# Altium PCB STB_SensorBoard.PcbDoc (part 4 of 4)
Units mm, origin at the board's own origin, x right, y up, seen from the top; angles counter-clockwise.
Board outline 370 x 359 mm, 2 copper layers (Top Layer, Bottom Layer), stack 1.569 mm thick; 224 components, 98 nets, 746 pads, 3353 vias.
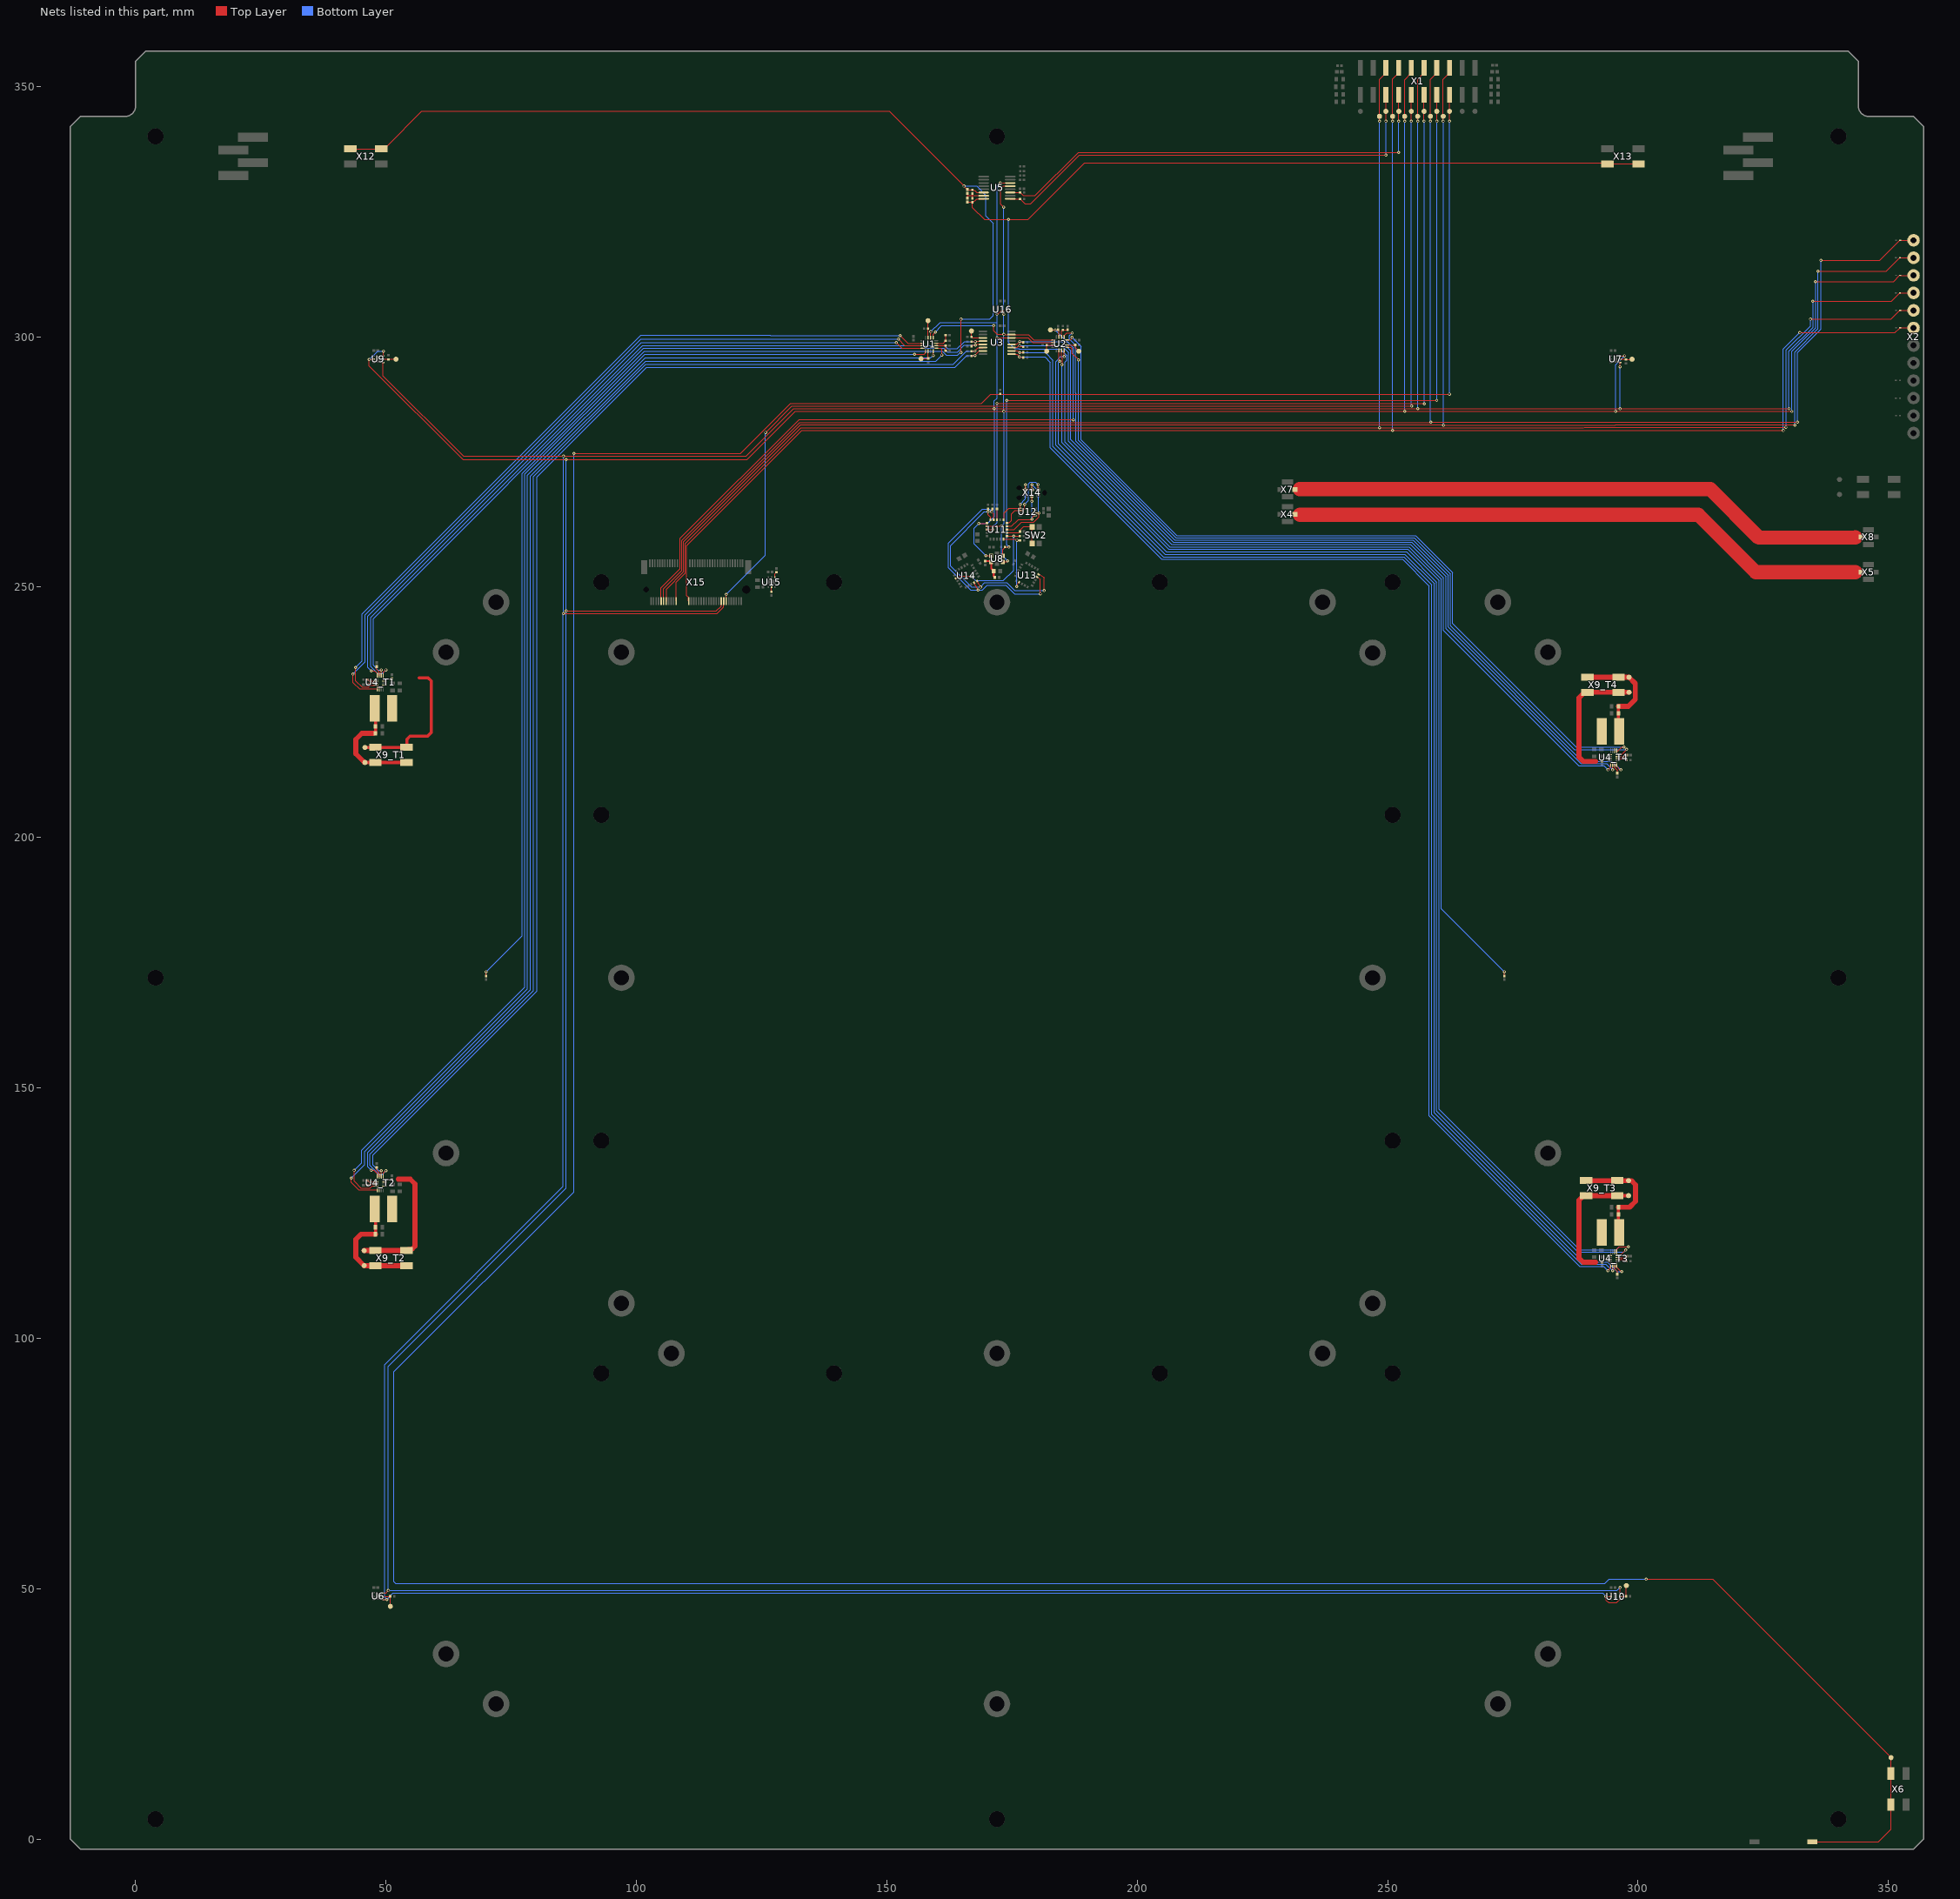
[diagram p4: the nets of this part, all layers, seen from the top]

## Via types
v1: diameter 0.604, hole 0.3, Top Layer to Bottom Layer, tented both sides, 3353 vias

## Nets (pads, with @x,y where several pads share a name; then routed paths per layer and width w, separated by ;. In a path a pad name is that pad's centre, name@x,y a point inside that pad or via, vN(x,y) a via of type N, cw(c..) or ccw(c..) an arc to the next point about the centre after c; other vN are vias at no path point) (continued)
GPIO1: D2.1 TP2.TP X1.5 X2.11 X15.14 | length 369.7
  Top Layer w0.2: X15.14@105.95,247.225 106,247.275 105.998,247.277 105.998,249.634 109.422,253.057 109.422,259.02 132.793,282.392 261.129,282.392 v1(261.176,282.344) 295.46,282.344 295.57,282.454 331.081,282.454 331.191,282.344 v1(331.3,282.344) ; v1(261.097,343) TP2.TP@261.097,344.008 261.097,351.397 262.35,352.65 X1.5@262.35,353.7 ; v1(335.921,313.096) v1(335.921,313.096) 349.589,313.094 352.226,315.732 352.281,315.732 D2.1@352.299,315.75 ; D2.1@352.286,315.732 D2.1@352.316,315.732 ; D2.1@352.306,315.757 D2.1@352.299,315.75 ; X2.11@354.963,315.75 D2.1@352.299,315.75
  Bottom Layer w0.2: v1(261.097,343) 261.137,342.961 261.137,282.384 v1(261.176,282.344) ; v1(331.3,282.344) 331.273,282.371 331.273,296.954 335.927,301.608 335.927,313.09 v1(335.921,313.096)
GPIO2: D1.1 TP4.TP X1.7 X2.12 X15.12 | length 371.9
  Top Layer w0.2: X15.12@105.45,247.225 105.45,249.723 109.097,253.369 109.097,259.33 132.644,282.877 258.559,282.877 v1(258.614,282.932) v1(331.8,282.932) ; v1(258.554,343) TP4.TP@258.554,344.008 258.554,351.394 259.81,352.65 X1.7@259.81,353.7 ; v1(336.5,315.232) 348.256,315.232 352.281,319.257 D1.1@352.336,319.257 D1.1@352.329,319.25 ; D1.1@352.3,319.25 D1.1@352.329,319.25 ; D1.1@352.316,319.232 352.311,319.232 D1.1@352.329,319.25 ; X2.12@354.963,319.25 D1.1@352.329,319.25
  Bottom Layer w0.2: v1(258.554,343) 258.584,342.97 258.584,282.962 v1(258.614,282.932) ; v1(331.8,282.932) 331.806,282.938 331.806,296.875 336.5,301.569 v1(336.5,315.232)
I2C_PELT0_SCL: R13_T1.1 U3.5 U4_T1.14 | length 158.3
  Top Layer w0.2: U4_T1.14@49.088,232.382 49.094,232.388 49.094,233.132 v1(49.095,233.48) ; R13_T1.1@166.89,298.1 167.085,298.295 v1(167.678,298.295) 167.788,298.295 167.968,298.475 U3.5@169.2,298.475
  Bottom Layer w0.2: v1(49.095,233.48) 48.416,233.48 47.5,234.395 47.5,243.715 101.479,297.694 161.373,297.694 162.13,296.937 164.118,296.937 165.476,298.295 v1(167.678,298.295)
I2C_PELT0_SDA: R14_T1.1 U3.4 U4_T1.13 | length 161.5
  Top Layer w0.2: U4_T1.13@49.492,232.385 49.492,233.042 49.929,233.48 v1(50.002,233.48) v1@50.016,233.493 ; R14_T1.1@166.895,299.043 166.898,299.047 167.66,299.047 v1(167.663,299.05) 167.709,299.096 169.171,299.096 U3.4@169.2,299.125
  Bottom Layer w0.2: v1(50.002,233.48) 49.283,232.76 48.345,232.76 47,234.105 47,243.994 101.235,298.229 161.498,298.229 162.149,297.578 164.051,297.578 165.522,299.05 v1(167.663,299.05)
I2C_PELT1_SCL: R13_T2.1 U3.7 U4_T2.14 | length 254.5
  Top Layer w0.2: U4_T2.14@49.089,132.382 49.094,132.388 49.094,133.132 v1(49.095,133.48) ; R13_T2.1@166.89,296.168 166.939,296.217 167.566,296.217 168.524,297.175 U3.7@169.2,297.175
  Bottom Layer w0.2: v1(49.095,133.48) 48.543,133.48 47.4,134.622 47.4,136.6 80.121,169.321 80.121,272.025 102.023,293.927 163.619,293.927 165.958,296.266 v1(167.614,296.266)
I2C_PELT1_SDA: R14_T2.1 U3.6 U4_T2.13 | length 257.8
  Top Layer w0.2: U4_T2.13@49.492,132.385 49.492,133.042 49.929,133.48 v1(50.002,133.48) v1@50.016,133.493 ; R14_T2.1@166.895,297.112 166.91,297.126 167.591,297.126 v1(167.606,297.141) 167.606,297.166 168.259,297.819 169.194,297.819 U3.6@169.2,297.825
  Bottom Layer w0.2: v1(50.002,133.48) 49.252,132.73 48.624,132.73 46.822,134.532 46.822,136.783 79.487,169.448 79.487,272.094 101.913,294.52 163.254,294.52 165.875,297.141 v1@167.592,297.141
I2C_PELT2_SCL: R13_T3.1 U3.10 U4_T3.14 | length 269.9
  Top Layer w0.2: U3.10@174.9,297.175 176.099,297.175 176.442,296.833 v1(176.551,296.833) 176.578,296.859 177.198,296.859 R13_T3.1@177.225,296.886 ; v1(294.905,113.49) 294.924,113.509 294.924,114.185 294.919,114.19 U4_T3.14@294.919,114.585
  Bottom Layer w0.2: v1(176.551,296.833) 181.667,296.833 183.203,295.297 183.203,278.053 205.233,256.023 253.24,256.023 258.799,250.463 258.799,144.709 275.664,127.844 288.677,114.831 293.565,114.831 v1(294.905,113.49)
I2C_PELT2_SDA: R14_T3.1 U3.9 U4_T3.13 | length 269
  Top Layer w0.2: U3.9@174.9,296.525 176.009,296.525 176.504,296.03 v1(176.504,295.954) 176.56,295.898 177.169,295.898 R14_T3.1@177.225,295.842 ; v1(293.998,113.49) 293.998,113.511 294.519,114.032 U4_T3.13@294.519,114.59
  Bottom Layer w0.2: v1(176.504,295.954) 181.554,295.954 182.642,294.866 182.642,277.818 204.913,255.547 252.957,255.547 258.3,250.204 258.3,144.4 288.306,114.394 293.094,114.394 v1(293.998,113.49)
I2C_PELT3_SCL: R13_T4.1 U3.12 U4_T4.14 | length 174
  Top Layer w0.2: U3.12@174.9,298.475 175.99,298.475 176.539,299.024 v1(176.539,299.035) 176.615,298.958 177.149,298.958 R13_T4.1@177.225,298.882 ; v1(294.905,213.52) 294.905,213.867 ; 294.906,213.868 294.906,214.612 U4_T4.14@294.912,214.618
  Bottom Layer w0.2: v1(176.539,299.035) 184.885,299.035 186.701,297.219 186.701,279.462 207.207,258.956 254.783,258.956 261.657,252.082 261.657,241.709 288.596,214.771 293.704,214.771 294.905,213.57 v1(294.905,213.52)
I2C_PELT3_SDA: R14_T4.1 U3.11 U4_T4.13 | length 173.1
  Top Layer w0.2: U3.11@174.9,297.825 174.922,297.847 176.05,297.847 176.406,298.203 176.625,298.203 176.764,298.064 177.095,298.064 R14_T4.1@177.22,297.939 ; v1@293.984,213.507 v1(293.998,213.52) 294.071,213.52 294.508,213.958 U4_T4.13@294.508,214.615
  Bottom Layer w0.2: v1(176.516,298.203) 184.865,298.203 186.265,296.803 186.265,279.122 206.864,258.523 254.543,258.523 261.169,251.897 261.169,241.315 288.16,214.323 293.195,214.323 v1(293.998,213.52)
I2C_SPEC_SCL: R33.1 U11.9 U13.9 U14.9 | length 45.9
  Top Layer w0.2: U14.9@167.443,250.903 167.457,250.74 v1(168.221,249.417) ; R33.1@171.095,265.626 171.02,265.551 171.02,265.104 v1(170.945,265.029) 170.945,264.988 171.35,264.583 U11.9@171.35,263.425 ; U13.9@179.997,252.01 180.119,251.934 180.677,251.584 v1(180.677,248.681) v1@180.677,248.454
  Bottom Layer w0.2: v1(170.945,265.029) 170.945,265.079 170.473,265.55 169.12,265.55 162.335,258.765 162.335,253.847 166.765,249.417 v1(168.221,249.417) 168.254,249.451 169.112,249.451 170.046,250.385 173.795,250.385 175.498,248.681 v1(180.677,248.681)
I2C_SPEC_SDA: R34.1 U11.10 U13.10 U14.10 | length 43.6
  Top Layer w0.2: U14.10@168.006,251.228 168.072,251.095 v1(168.702,250.005) ; v1(170.215,265.023) v1@170.222,265.03 ; R34.1@170.222,265.626 170.218,265.623 170.218,265.034 v1@170.222,265.03 ; U11.10@170.7,263.425 170.7,263.948 170.222,264.426 v1@170.222,265.03 ; U13.10@180.336,252.577 180.452,252.509 181.278,252.026 181.33,251.986 181.439,251.877 v1(181.439,249.298)
  Bottom Layer w0.2: v1(170.215,265.023) 169.417,265.023 162.714,258.32 162.714,254.213 166.922,250.005 v1(168.702,250.005) 169.562,250.864 173.917,250.864 175.484,249.298 v1(181.439,249.298)
I2C_SYS_SCL: D4.1 TP6.TP U1.14 U2.14 U3.14 U5.14 U6.4 U7.4 U8.5 U9.4 U10.2 U10.4 U11.11 U16.B1 X1.9 X2.9 X15.60 | length 1054.7
  Top Layer w0.2: U6.4@49.45,47.85 49.452,47.848 50.208,47.848 v1(50.212,47.845) ; U9.4@49.45,294.85 49.45,292.15 65.454,276.146 v1(85.421,276.146) 121.933,276.146 131.427,285.64 v1(171.416,285.64) 171.418,285.638 v1(256,285.638) 256.011,285.627 296.398,285.627 v1(296.425,285.6) 296.452,285.627 v1(330.142,285.627) ; v1(85.421,244.722) 85.454,244.689 116.147,244.689 117.455,245.997 X15.60@117.455,247.22 ; U1.14@158.75,299.801 158.758,299.809 158.758,300.936 v1(158.796,300.974) ; v1(168.357,262.701) 168.406,262.751 169.926,262.751 U11.11@169.975,262.8 ; v1(169.762,256.282) 170.824,256.282 U8.5@170.855,256.251 ; v1(172,299.775) U3.14@174.9,299.775 178.231,299.775 179.156,298.85 U2.14@183.285,298.85 ; v1(172,304.5) 172.077,304.577 172.23,304.577 U16.B1@172.875,305.222 ; v1(172.68,330.702) U5.14@174.65,330.702 ; v1(256,343) TP6.TP@256,344 256,351.38 257.27,352.65 X1.9@257.27,353.7 ; U10.2@294.55,48.5 294.548,48.498 293.609,48.498 v1(293.573,48.462) 293.64,48.395 293.64,47.721 294.129,47.232 295.711,47.232 296.329,47.85 U10.4@296.45,47.85 ; U7.4@296.325,294.85 U7.4@296.45,294.85 296.425,294.825 v1(296.425,294) ; v1(334.9,307.1) 350.594,307.1 352.251,308.757 D4.1@352.306,308.757 ; D4.1@352.286,308.75 X2.9@354.963,308.75
  Bottom Layer w0.2: v1(85.421,244.722) 85.4,244.701 85.4,130.4 49.757,94.757 49.757,48.299 v1(50.212,47.845) 50.212,47.889 51.455,49.133 292.902,49.133 v1(293.573,48.462) ; v1@85.421,244.731 v1(85.421,276.146) ; v1(158.796,300.974) 160.67,302.848 172,302.848 ; v1(169.762,256.282) 167.443,258.601 167.443,261.788 v1(168.357,262.701) 170.129,262.701 171.488,264.06 171.488,285.568 v1@171.359,285.697 ; v1(171.416,285.64) 171.44,285.663 171.44,287.192 172,287.753 v1(172,299.775) 172,302.848 ; v1(172.68,330.702) 172,330.022 172,302.848 ; v1(256,285.638) 256,310.2 v1(256,343) ; v1(296.425,285.6) v1(296.425,294) ; v1(330.142,285.627) 330.142,297.123 334.93,301.911 334.93,307.07 v1(334.9,307.1)
I2C_SYS_SDA: D3.1 TP8.TP U1.13 U2.13 U3.15 U5.13 U6.6 U7.6 U8.2 U9.2 U9.6 U10.6 U11.12 U16.B2 X1.11 X2.10 X15.58 | length 1063.9
  Top Layer w0.2: U9.2@47.55,295.5 47.53,295.48 46.697,295.48 v1(46.677,295.459) 46.677,294.133 65.355,275.455 v1(85.983,275.455) ; U6.6@49.45,49.15 50,49.15 v1(50.5,49.65) ; U9.6@49.45,296.15 49.454,296.15 49.479,296.175 49.479,297.101 v1(49.509,297.13) ; v1(85.983,275.455) 122.125,275.455 131.752,285.082 v1(173.382,285.082) 173.412,285.112 253.37,285.112 v1@253.4,285.142 ; v1(86.006,245.266) 86.056,245.216 115.966,245.216 116.95,246.2 X15.58@116.95,247.225 ; U1.13@159.25,299.801 159.25,300.506 159.684,300.94 v1(159.708,300.94) ; U11.12@169.975,262.15 v1(172.875,262.15) ; v1(171.36,302.191) 171.36,301.139 172.049,300.45 v1(173.382,300.45) 173.407,300.425 U3.15@174.9,300.425 178.301,300.425 179.376,299.35 U2.13@183.285,299.35 ; U8.2@173.145,255.051 173.93,255.051 v1(174.125,255.246) ; U16.B2@173.275,305.222 173.275,305.217 173.382,305.11 v1(173.382,304.5) ; v1(173.358,325.874) 172.755,326.477 172.755,329.577 173.245,330.067 U5.13@174.65,330.067 ; v1(253.397,285.105) 295.495,285.105 295.527,285.073 v1(330.728,285.073) ; v1(253.4,343) TP8.TP@253.4,344 253.4,351.32 254.73,352.65 X1.11@254.73,353.7 ; v1(296.425,50.25) 296.437,50.238 296.437,49.152 296.439,49.15 U10.6@296.45,49.15 ; 296.787,296.148 296.452,296.148 U7.6@296.45,296.15 296.463,296.163 297.287,296.163 v1(297.3,296.175) ; v1(335.4,311) 351.028,311 352.285,312.257 D3.1@352.336,312.257 ; D3.1@352.336,312.25 X2.10@354.963,312.25
  Bottom Layer w0.2: v1(46.677,295.459) 48.348,297.13 v1(49.509,297.13) ; v1(85.983,275.455) 85.994,275.443 85.994,245.278 v1(86.006,245.266) 86,245.26 86,130 50.43,94.43 50.43,49.968 50.433,49.964 50.433,49.717 v1(50.5,49.65) 295.825,49.65 v1(296.425,50.25) ; v1(159.708,300.94) 160.959,302.191 v1(171.36,302.191) v1@171.591,302.191 ; v1(173.358,325.874) 173.382,325.85 v1(173.382,304.5) v1(173.382,300.45) v1(173.382,285.082) 173.392,285.072 173.392,262.667 v1(172.875,262.15) 172.875,256.496 v1(174.125,255.246) ; v1(253.397,285.105) 253.4,285.108 v1(253.4,343) ; v1(295.5,285.1) 295.5,294.375 v1(297.3,296.175) ; v1(330.728,285.073) 330.728,297.078 333,299.35 335.454,301.804 335.454,310.946 v1(335.4,311)
INT_AS7265x: TP7.TP U11.13 X1.10 | length 173.9
  Top Layer w0.2: U11.13@169.975,261.5 170.025,261.45 170.06,261.485 171.154,261.485 v1(171.168,261.47) ; v1(172,286.7) 257.102,286.7 257.197,286.606 v1(257.306,286.606) ; v1(257.27,343.025) TP7.TP@257.27,345 X1.10@257.27,348.3
  Bottom Layer w0.2: v1(171.168,261.47) 171.168,262.072 172,262.904 v1(172,286.7) ; v1(257.27,343.025) 257.288,343.007 257.288,286.624 v1(257.306,286.606)
INT_DOOR: R1.1 SW1.2 TP3.TP TP18.TP X1.6 X6.1 | length 824.9
  Top Layer w0.2: v1(87.553,276.714) 87.568,276.7 120.774,276.7 130.774,286.7 168.922,286.7 170.722,288.5 R1.1@172.679,288.5 ; R1.1@172.679,288.6 172.741,288.537 v1(262.331,288.537) ; v1(262.35,343) TP3.TP@262.35,345 X1.6@262.35,348.3 ; v1(301.613,51.903) 314.897,51.903 TP18.TP@350.5,16.3 X6.1@350.5,13.1 X6.1@350.5,6.9 350.5,2.038 347.962,-0.5 SW1.2@334.75,-0.5
  Bottom Layer w0.2: v1(87.553,276.714) 87.513,276.674 87.513,129.249 51.608,93.344 51.608,51.431 51.939,51.1 293.4,51.1 294.271,51.971 301.546,51.971 v1(301.613,51.903) ; v1(262.331,288.537) 262.341,288.547 262.341,342.991 v1(262.35,343)
INT_MAX6615_nFAIL: R20.1 TP14.TP U5.9 X1.16 | length 91.5
  Top Layer w0.2: U5.9@174.65,327.527 174.666,327.512 176.588,327.512 R20.1@176.603,327.496 177.599,326.5 178.7,326.5 188.459,336.259 v1(249.65,336.259) ; v1(249.65,343) TP14.TP@249.65,345 X1.16@249.65,348.3
  Bottom Layer w0.2: v1(249.65,336.259) v1(249.65,343)
INT_MAX6615_nOT: R19.1 TP12.TP U5.11 X1.14 | length 92.9
  Top Layer w0.2: U5.11@174.65,328.797 174.663,328.785 176.59,328.785 R19.1@176.603,328.772 177.212,328.162 179.613,328.162 188.245,336.795 v1(252.19,336.795) ; v1(252.19,343) 252.215,343.025 252.215,344.975 TP12.TP@252.241,345 252.241,348.249 X1.14@252.19,348.3
  Bottom Layer w0.2: v1(252.19,336.795) v1(252.19,343)
INT_TMP: TP9.TP X1.12 X15.62 | length 230
  Top Layer w0.2: X15.62@117.95,247.225 v1(117.95,248.516) ; v1(125.804,280.9) 131.071,286.167 254.563,286.167 v1@254.565,286.165 ; v1(254.73,343) TP9.TP@254.73,345 X1.12@254.73,348.3
  Bottom Layer w0.2: v1(117.95,248.516) 125.785,256.35 125.785,280.881 v1(125.804,280.9) ; v1(254.73,343) 254.756,342.974 254.756,286.191 v1(254.781,286.165)
INT_VEML: R27.1 TP5.TP U8.3 X1.8 | length 179.1
  Top Layer w0.2: U8.3@173.145,256.251 173.145,257.504 173.527,257.886 173.527,257.892 R27.1@173.623,257.989 ; R27.1@173.625,257.99 R27.1@173.623,257.989 ; v1(173.95,287.281) v1(259.8,287.281) ; v1(174.4,257.989) R27.1@173.623,257.989 ; v1(259.81,343) TP5.TP@259.81,345 X1.8@259.81,348.3
  Bottom Layer w0.2: v1(173.95,287.281) 173.941,287.271 173.941,258.449 v1(174.4,257.989) ; v1(259.8,287.281) 259.805,287.286 259.805,342.995 v1(259.81,343)
MP8833_CTL0: U1.3 U4_T1.5 | length 154.5
  Top Layer w0.2: v1(43.419,232.626) 43.419,230.962 44.701,229.68 U4_T1.5@48.281,229.68 ; v1(152.291,299.514) 152.291,299.495 153.586,298.2 U1.3@157.149,298.2
  Bottom Layer w0.2: v1(43.419,232.626) 43.419,232.677 45.871,235.129 45.871,244.46 100.925,299.514 v1(152.291,299.514)
MP8833_CTL1: U1.8 U4_T2.5 | length 253.2
  Top Layer w0.2: v1(43.101,131.993) v1(43.101,131.993) 43.099,131.177 44.597,129.68 U4_T2.5@48.281,129.68 ; v1(159.25,296.272) U1.8@159.25,297.099
  Bottom Layer w0.2: v1(43.101,131.993) 45.772,134.664 45.772,137.263 78.28,169.771 78.28,272.311 101.788,295.818 158.795,295.818 v1(159.25,296.272)
MP8833_CTL2: U2.3 U4_T3.5 | length 263.5
  Top Layer w0.2: U2.3@184.886,297.249 184.886,295.807 185.092,295.601 185.092,294.651 184.951,294.51 v1(184.951,294.401) ; U4_T3.5@295.719,117.29 295.719,117.74 296.241,118.263 v1(298.075,118.264) v1(298.075,118.264)
  Bottom Layer w0.2: v1(184.951,294.401) 184.982,294.369 184.982,278.837 206.276,257.543 254.029,257.543 260.252,251.32 260.252,145.768 288.371,117.649 295.614,117.649 296.228,118.264 v1(298.075,118.264)
MP8833_CTL3: U2.8 U4_T4.5 | length 164
  Top Layer w0.2: U2.8@185.987,299.35 186.673,299.35 187,299.677 v1(187,299.85) ; U4_T4.5@295.719,217.32 295.734,217.306 295.957,217.306 296.719,218.068 v1(297.168,218.068)
  Bottom Layer w0.2: v1(187,299.85) 188.823,298.027 188.823,279.407 207.93,260.299 255.562,260.299 262.936,252.926 262.936,242.723 287.591,218.068 v1(297.168,218.068)
MP8833_ITEC0: U1.4 U4_T1.16 | length 146.9
  Top Layer w0.2: v1(47.096,233.253) 47.105,233.263 47.798,233.263 48.281,232.78 U4_T1.16@48.281,232.38 ; v1(151.89,298.804) 151.89,298.794 152.984,297.7 U1.4@157.149,297.7
  Bottom Layer w0.2: v1(47.096,233.253) 46.418,233.931 46.418,244.212 101.044,298.838 151.856,298.838 v1(151.89,298.804)
MP8833_ITEC1: U1.9 U4_T2.16 | length 248.9
  Top Layer w0.2: v1(47.034,133.575) 47.593,133.575 48.281,132.887 U4_T2.16@48.281,132.38 ; U1.9@159.851,297.7 160.728,297.7 160.988,297.44 v1(160.988,296.344)
  Bottom Layer w0.2: v1(47.034,133.575) 46.347,134.262 46.347,137.097 78.874,169.623 78.874,272.154 101.851,295.132 159.776,295.132 v1(160.988,296.344)
MP8833_ITEC2: U2.4 U4_T3.16 | length 265
  Top Layer w0.2: U2.4@185.386,297.249 185.394,297.241 185.394,296.044 v1(185.413,296.025) v1@185.413,296.002 ; U4_T3.16@295.719,114.59 295.719,114.19 296.49,113.419 296.655,113.419 v1(296.733,113.342)
  Bottom Layer w0.2: v1(185.413,296.025) 184.719,296.025 183.739,295.045 183.739,278.36 205.544,256.555 253.45,256.555 259.3,250.705 259.3,145.022 289.036,115.285 293.856,115.285 295.799,113.342 v1(296.733,113.342)
MP8833_ITEC3: U2.9 U4_T4.16 | length 168.1
  Top Layer w0.2: U2.9@185.386,299.951 185.4,299.965 185.4,300.249 185.919,300.768 v1(187.025,300.768) ; U4_T4.16@295.719,214.62 295.719,214.22 296.347,213.592 296.479,213.592 v1(296.556,213.515)
  Bottom Layer w0.2: v1(187.025,300.768) 186.473,300.216 186.473,299.505 187.706,298.273 187.706,288.727 187.757,288.675 187.757,279.129 207.492,259.394 255.11,259.394 262.095,252.409 262.095,242.012 288.888,215.219 294.782,215.219 296.486,213.515 v1(296.556,213.515)
MP8833_SD0: U1.2 U4_T1.4 | length 154.3
  Top Layer w0.2: v1(43.948,233.951) 43.958,233.941 43.958,231.267 45.212,230.013 46.588,230.013 47.005,230.43 U4_T1.4@48.031,230.43 ; v1@152.673,300.223 154.207,298.688 156.823,298.688 156.827,298.692 157.141,298.692 U1.2@157.149,298.7
  Bottom Layer w0.2: v1(43.948,233.951) 45.291,235.294 45.291,244.675 100.95,300.333 126.695,300.333 126.805,300.223 v1(152.659,300.223)
MP8833_SD1: U1.5 U4_T2.4 | length 250.8
  Top Layer w0.2: v1(43.657,133.535) 43.657,131.365 45.017,130.005 46.822,130.005 47.247,130.43 U4_T2.4@48.031,130.43 ; v1(155.523,296.5) 157.469,296.5 157.742,296.773 157.742,297.091 U1.5@157.75,297.099
  Bottom Layer w0.2: v1(43.657,133.535) 45.168,135.046 45.168,137.526 77.739,170.096 77.739,272.568 101.671,296.5 v1(155.523,296.5)
MP8833_SD2: U2.2 U4_T3.4 | length 262.8
  Top Layer w0.2: U2.2@184.386,297.249 184.386,295.414 184.565,295.235 v1(184.565,295.125) ; U4_T3.4@296.169,116.54 296.444,116.54 v1(297.551,117.647)
  Bottom Layer w0.2: v1(184.565,295.125) 184.565,295.074 184.297,294.806 184.297,278.598 205.841,257.054 253.744,257.054 259.788,251.009 259.788,145.407 287.953,117.242 297.146,117.242 v1(297.551,117.647)
MP8833_SD3: U2.5 U4_T4.4 | length 163.3
  Top Layer w0.2: U2.5@185.987,297.85 186.754,297.85 186.984,297.62 186.984,296.68 188.25,295.414 v1(188.25,295.36) ; U4_T4.4@295.969,216.57 296.751,216.57 297.729,217.548 v1(297.729,217.602)
  Bottom Layer w0.2: v1(188.25,295.36) 188.25,279.33 207.714,259.866 255.302,259.866 262.496,252.672 262.496,242.331 287.286,217.541 297.667,217.541 v1(297.729,217.602)
NetC14_2: C14.2 TP20.TP U1.6 | length 2.9
  Top Layer w0.2: TP20.TP@156.824,295.594 158.25,295.594 U1.6@158.25,297.099
NetC16_2: C16.2 TP22.TP U2.6 | length 3.2
  Top Layer w0.2: U2.6@185.987,298.35 C16.2@187.633,298.35 187.633,297.785 TP22.TP@188.318,297.1
NetC23_T1_2: C23_T1.2 U4_T1.3 | length 1.9
  Top Layer w0.2: C23_T1.2@46.29,230.573 46.31,230.573 46.569,230.832 U4_T1.3@48.038,230.832
NetC23_T2_2: C23_T2.2 U4_T2.3 | length 1.9
  Top Layer w0.2: C23_T2.2@46.29,130.573 46.31,130.573 46.569,130.832 U4_T2.3@48.039,130.832
NetC23_T3_2: C23_T3.2 U4_T3.3 | length 1.9
  Top Layer w0.2: U4_T3.3@295.962,116.138 297.431,116.138 297.69,116.397 C23_T3.2@297.71,116.397
NetC23_T4_2: C23_T4.2 U4_T4.3 | length 1.9
  Top Layer w0.2: U4_T4.3@295.962,216.168 297.431,216.168 297.69,216.427 C23_T4.2@297.71,216.427
NetC24_T1_2: C24_T1.2 U4_T1.15 | length 2
  Top Layer w0.2: C24_T1.2@48.136,234.136 48.136,233.628 48.679,233.085 48.679,232.391 U4_T1.15@48.688,232.382
NetC24_T2_2: C24_T2.2 U4_T2.15 | length 2
  Top Layer w0.2: C24_T2.2@48.136,134.137 48.136,133.629 48.679,133.085 48.679,132.391 U4_T2.15@48.689,132.382
NetC24_T3_2: C24_T3.2 U4_T3.15 | length 2
  Top Layer w0.2: U4_T3.15@295.312,114.588 295.321,114.579 295.321,113.885 295.864,113.342 C24_T3.2@295.864,112.834
NetC24_T4_2: C24_T4.2 U4_T4.15 | length 2
  Top Layer w0.2: U4_T4.15@295.312,214.618 295.321,214.609 295.321,213.915 295.864,213.372 C24_T4.2@295.864,212.864
NetC26_1: C26.1 C27.2 R22.1 R24.2 U5.7 | length 5.2